# KiCad board panelized.kicad_pcb
title: Hallmoeba; note: Licensed under CERN-OHL-S v2 or later; note: Copyright 2023 gamaPhy
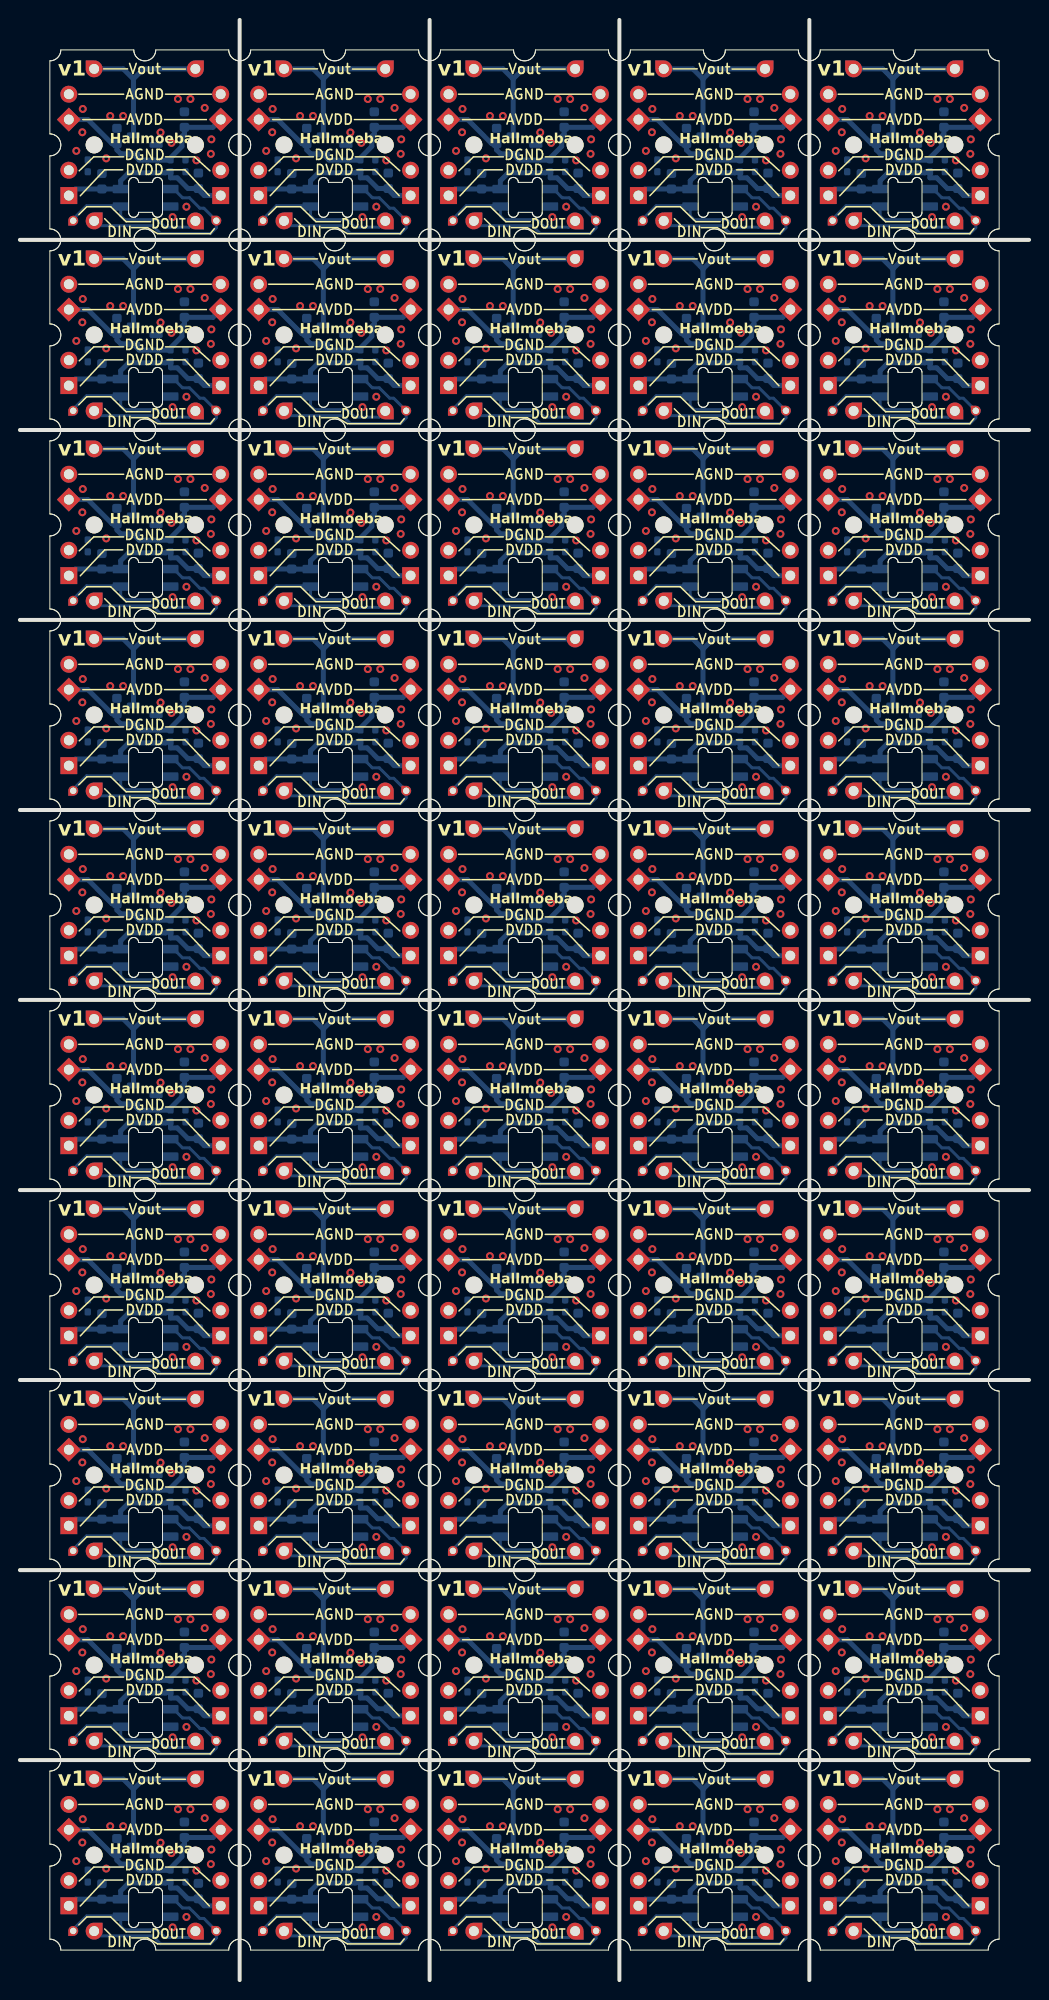
[diagram p0: board, top side]
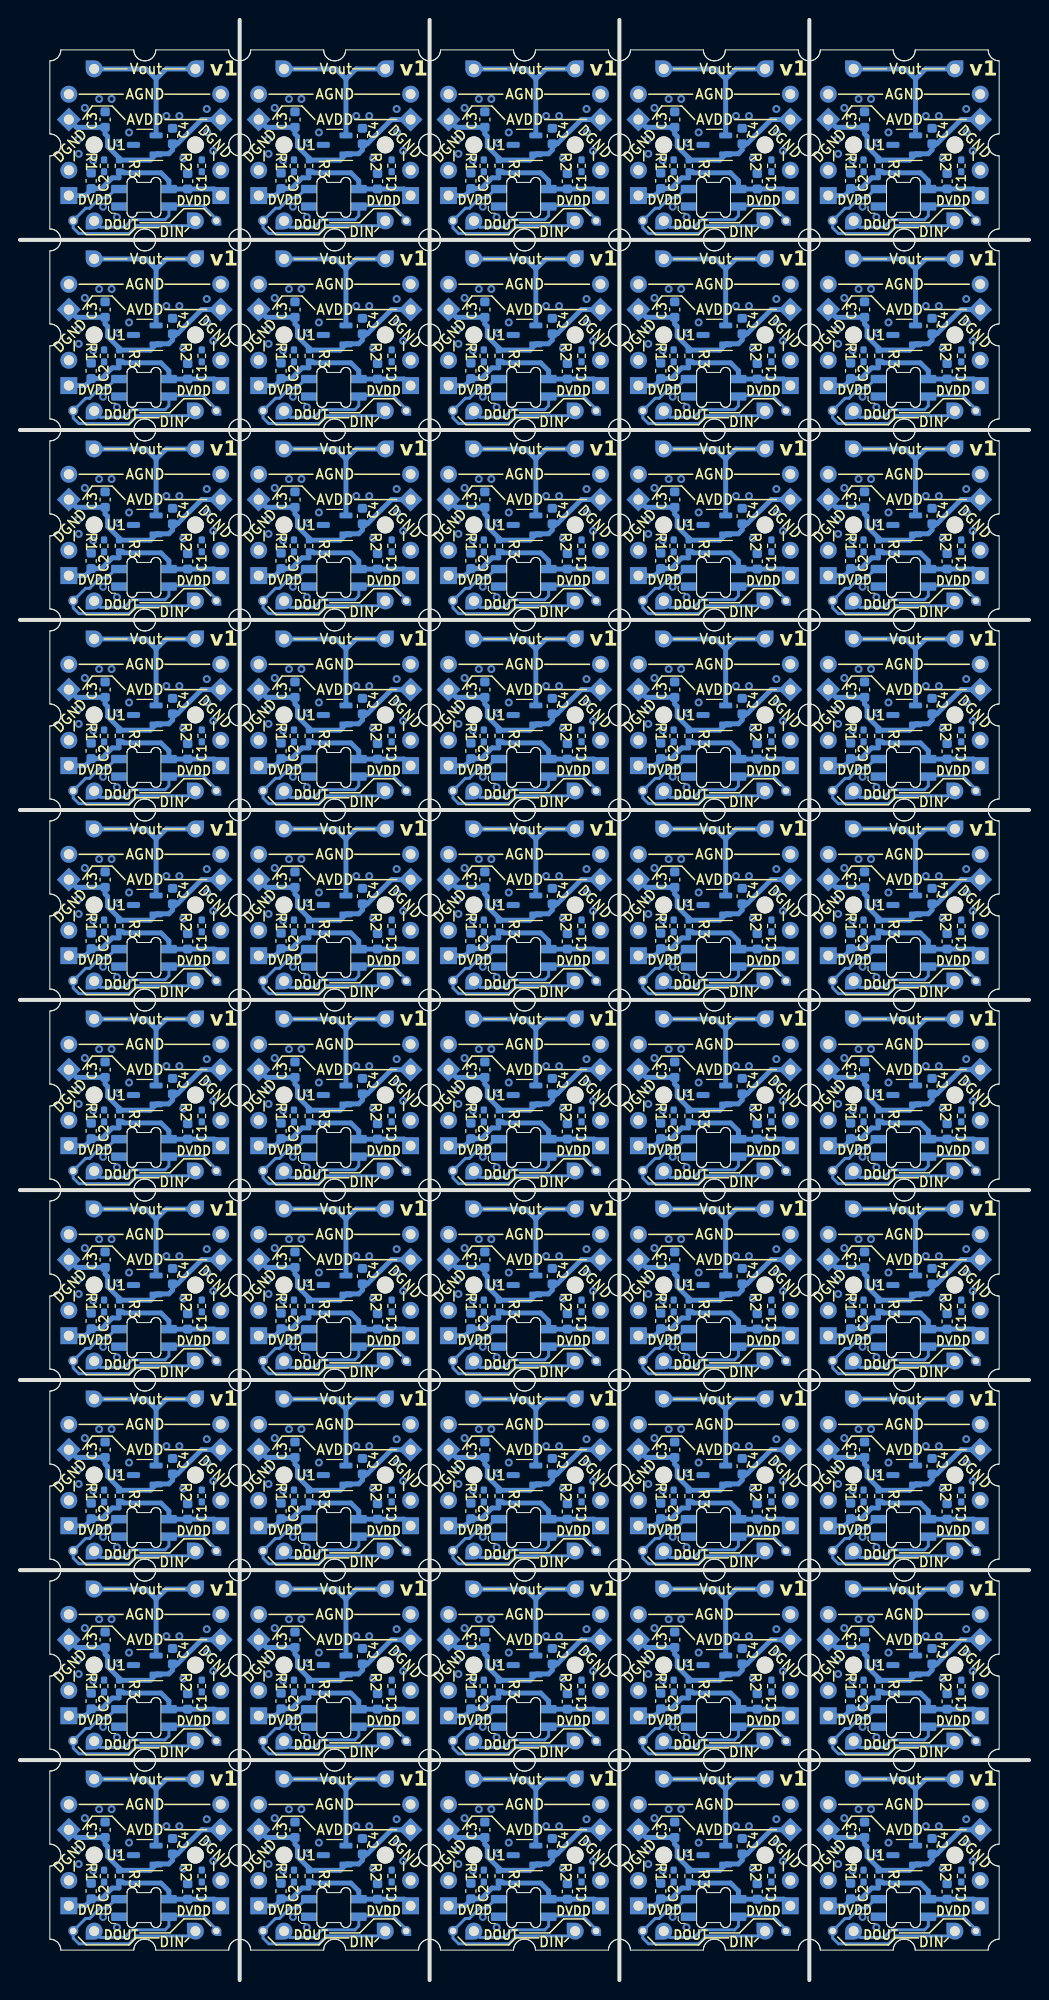
[diagram p1: board, bottom side, seen from below]

Outline 101.25 x 196.5 mm; copper layers: Top, Bottom. Coordinates in mm from the lower left corner of the outline.
Stack: Top 0.035mm / dielectric 1.51mm FR4 er 4.5 / Bottom 0.035mm

## Placement (name value [footprint] x y rotation side)
C1  100n  [C_0603_1608Metric]  65.37 161.28 270 bottom
C1#2  100n  [C_0603_1608Metric]  8.22 8.88 270 bottom
C1#3  100n  [C_0603_1608Metric]  8.22 66.03 270 bottom
C1#4  100n  [C_0603_1608Metric]  46.32 123.18 270 bottom
C1#5  100n  [C_0603_1608Metric]  27.27 46.98 270 bottom
C1#6  100n  [C_0603_1608Metric]  46.32 27.93 270 bottom
C1#7  100n  [C_0603_1608Metric]  8.22 27.93 270 bottom
C1#8  100n  [C_0603_1608Metric]  65.37 8.88 270 bottom
C1#9  100n  [C_0603_1608Metric]  8.22 46.98 270 bottom
C1#10  100n  [C_0603_1608Metric]  84.42 85.08 270 bottom
C1#11  100n  [C_0603_1608Metric]  84.42 161.28 270 bottom
C1#12  100n  [C_0603_1608Metric]  84.42 123.18 270 bottom
C1#13  100n  [C_0603_1608Metric]  8.22 104.13 270 bottom
C1#14  100n  [C_0603_1608Metric]  27.27 123.18 270 bottom
C1#15  100n  [C_0603_1608Metric]  27.27 27.93 270 bottom
C1#16  100n  [C_0603_1608Metric]  8.22 85.08 270 bottom
C1#17  100n  [C_0603_1608Metric]  27.27 8.88 270 bottom
C1#18  100n  [C_0603_1608Metric]  84.42 180.33 270 bottom
C1#19  100n  [C_0603_1608Metric]  8.22 142.23 270 bottom
C1#20  100n  [C_0603_1608Metric]  84.42 104.13 270 bottom
C1#21  100n  [C_0603_1608Metric]  27.27 85.08 270 bottom
C1#22  100n  [C_0603_1608Metric]  46.32 142.23 270 bottom
C1#23  100n  [C_0603_1608Metric]  84.42 27.93 270 bottom
C1#24  100n  [C_0603_1608Metric]  65.37 142.23 270 bottom
C1#25  100n  [C_0603_1608Metric]  27.27 142.23 270 bottom
C1#26  100n  [C_0603_1608Metric]  65.37 104.13 270 bottom
C1#27  100n  [C_0603_1608Metric]  27.27 66.03 270 bottom
C1#28  100n  [C_0603_1608Metric]  27.27 161.28 270 bottom
C1#29  100n  [C_0603_1608Metric]  8.22 161.28 270 bottom
C1#30  100n  [C_0603_1608Metric]  46.32 85.08 270 bottom
C1#31  100n  [C_0603_1608Metric]  65.37 123.18 270 bottom
C1#32  100n  [C_0603_1608Metric]  8.22 180.33 270 bottom
C1#33  100n  [C_0603_1608Metric]  84.42 66.03 270 bottom
C1#34  100n  [C_0603_1608Metric]  65.37 46.98 270 bottom
C1#35  100n  [C_0603_1608Metric]  65.37 180.33 270 bottom
C1#36  100n  [C_0603_1608Metric]  84.42 46.98 270 bottom
C1#37  100n  [C_0603_1608Metric]  65.37 66.03 270 bottom
C1#38  100n  [C_0603_1608Metric]  46.32 161.28 270 bottom
C1#39  100n  [C_0603_1608Metric]  46.32 180.33 270 bottom
C1#40  100n  [C_0603_1608Metric]  84.42 142.23 270 bottom
C1#41  100n  [C_0603_1608Metric]  65.37 27.93 270 bottom
C1#42  100n  [C_0603_1608Metric]  84.42 8.88 270 bottom
C1#43  100n  [C_0603_1608Metric]  65.37 85.08 270 bottom
C1#44  100n  [C_0603_1608Metric]  27.27 180.33 270 bottom
C1#45  100n  [C_0603_1608Metric]  46.32 8.88 270 bottom
C1#46  100n  [C_0603_1608Metric]  46.32 66.03 270 bottom
C1#47  100n  [C_0603_1608Metric]  46.32 104.13 270 bottom
C1#48  100n  [C_0603_1608Metric]  46.32 46.98 270 bottom
C1#49  100n  [C_0603_1608Metric]  27.27 104.13 270 bottom
C1#50  100n  [C_0603_1608Metric]  8.22 123.18 270 bottom
C2  10u  [C_0603_1608Metric]  17.91 161.32 270 bottom
C2#2  10u  [C_0603_1608Metric]  75.06 27.97 270 bottom
C2#3  10u  [C_0603_1608Metric]  75.06 180.38 270 bottom
C2#4  10u  [C_0603_1608Metric]  36.96 85.12 270 bottom
C2#5  10u  [C_0603_1608Metric]  94.1 104.17 270 bottom
C2#6  10u  [C_0603_1608Metric]  75.06 104.17 270 bottom
C2#7  10u  [C_0603_1608Metric]  36.96 8.93 270 bottom
C2#8  10u  [C_0603_1608Metric]  36.96 66.07 270 bottom
C2#9  10u  [C_0603_1608Metric]  17.91 8.93 270 bottom
C2#10  10u  [C_0603_1608Metric]  75.06 47.03 270 bottom
C2#11  10u  [C_0603_1608Metric]  75.06 8.93 270 bottom
C2#12  10u  [C_0603_1608Metric]  56 47.03 270 bottom
C2#13  10u  [C_0603_1608Metric]  17.91 85.12 270 bottom
C2#14  10u  [C_0603_1608Metric]  36.96 123.22 270 bottom
C2#15  10u  [C_0603_1608Metric]  17.91 66.07 270 bottom
C2#16  10u  [C_0603_1608Metric]  94.1 180.38 270 bottom
C2#17  10u  [C_0603_1608Metric]  56 142.28 270 bottom
C2#18  10u  [C_0603_1608Metric]  56 66.07 270 bottom
C2#19  10u  [C_0603_1608Metric]  94.1 27.97 270 bottom
C2#20  10u  [C_0603_1608Metric]  56 27.97 270 bottom
C2#21  10u  [C_0603_1608Metric]  94.1 161.32 270 bottom
C2#22  10u  [C_0603_1608Metric]  17.91 27.97 270 bottom
C2#23  10u  [C_0603_1608Metric]  94.1 8.93 270 bottom
C2#24  10u  [C_0603_1608Metric]  36.96 180.38 270 bottom
C2#25  10u  [C_0603_1608Metric]  56 85.12 270 bottom
C2#26  10u  [C_0603_1608Metric]  94.1 47.03 270 bottom
C2#27  10u  [C_0603_1608Metric]  75.06 123.22 270 bottom
C2#28  10u  [C_0603_1608Metric]  94.1 142.28 270 bottom
C2#29  10u  [C_0603_1608Metric]  36.96 27.97 270 bottom
C2#30  10u  [C_0603_1608Metric]  17.91 142.28 270 bottom
C2#31  10u  [C_0603_1608Metric]  17.91 123.22 270 bottom
C2#32  10u  [C_0603_1608Metric]  56 104.17 270 bottom
C2#33  10u  [C_0603_1608Metric]  56 161.32 270 bottom
C2#34  10u  [C_0603_1608Metric]  17.91 180.38 270 bottom
C2#35  10u  [C_0603_1608Metric]  94.1 123.22 270 bottom
C2#36  10u  [C_0603_1608Metric]  17.91 47.03 270 bottom
C2#37  10u  [C_0603_1608Metric]  36.96 104.17 270 bottom
C2#38  10u  [C_0603_1608Metric]  75.06 161.32 270 bottom
C2#39  10u  [C_0603_1608Metric]  94.1 66.07 270 bottom
C2#40  10u  [C_0603_1608Metric]  56 8.93 270 bottom
C2#41  10u  [C_0603_1608Metric]  56 180.38 270 bottom
C2#42  10u  [C_0603_1608Metric]  94.1 85.12 270 bottom
C2#43  10u  [C_0603_1608Metric]  17.91 104.17 270 bottom
C2#44  10u  [C_0603_1608Metric]  36.96 142.28 270 bottom
C2#45  10u  [C_0603_1608Metric]  36.96 47.03 270 bottom
C2#46  10u  [C_0603_1608Metric]  75.06 66.07 270 bottom
C2#47  10u  [C_0603_1608Metric]  75.06 85.12 270 bottom
C2#48  10u  [C_0603_1608Metric]  75.06 142.28 270 bottom
C2#49  10u  [C_0603_1608Metric]  56 123.22 270 bottom
C2#50  10u  [C_0603_1608Metric]  36.96 161.32 270 bottom
C3  10u  [C_0603_1608Metric]  35.56 91.27 270 bottom
C3#2  10u  [C_0603_1608Metric]  35.56 34.12 270 bottom
C3#3  10u  [C_0603_1608Metric]  35.56 186.51 270 bottom
C3#4  10u  [C_0603_1608Metric]  54.6 148.42 270 bottom
C3#5  10u  [C_0603_1608Metric]  54.6 91.27 270 bottom
C3#6  10u  [C_0603_1608Metric]  92.71 53.16 270 bottom
C3#7  10u  [C_0603_1608Metric]  73.66 167.47 270 bottom
C3#8  10u  [C_0603_1608Metric]  16.5 129.37 270 bottom
C3#9  10u  [C_0603_1608Metric]  35.56 15.06 270 bottom
C3#10  10u  [C_0603_1608Metric]  92.71 186.51 270 bottom
C3#11  10u  [C_0603_1608Metric]  16.5 91.27 270 bottom
C3#12  10u  [C_0603_1608Metric]  54.6 34.12 270 bottom
C3#13  10u  [C_0603_1608Metric]  54.6 53.16 270 bottom
C3#14  10u  [C_0603_1608Metric]  35.56 72.22 270 bottom
C3#15  10u  [C_0603_1608Metric]  73.66 148.42 270 bottom
C3#16  10u  [C_0603_1608Metric]  73.66 72.22 270 bottom
C3#17  10u  [C_0603_1608Metric]  73.66 53.16 270 bottom
C3#18  10u  [C_0603_1608Metric]  16.5 186.51 270 bottom
C3#19  10u  [C_0603_1608Metric]  54.6 15.06 270 bottom
C3#20  10u  [C_0603_1608Metric]  16.5 34.12 270 bottom
C3#21  10u  [C_0603_1608Metric]  54.6 72.22 270 bottom
C3#22  10u  [C_0603_1608Metric]  73.66 91.27 270 bottom
C3#23  10u  [C_0603_1608Metric]  92.71 72.22 270 bottom
C3#24  10u  [C_0603_1608Metric]  16.5 167.47 270 bottom
C3#25  10u  [C_0603_1608Metric]  92.71 167.47 270 bottom
C3#26  10u  [C_0603_1608Metric]  35.56 53.16 270 bottom
C3#27  10u  [C_0603_1608Metric]  73.66 34.12 270 bottom
C3#28  10u  [C_0603_1608Metric]  73.66 15.06 270 bottom
C3#29  10u  [C_0603_1608Metric]  35.56 110.31 270 bottom
C3#30  10u  [C_0603_1608Metric]  92.71 110.31 270 bottom
C3#31  10u  [C_0603_1608Metric]  35.56 148.42 270 bottom
C3#32  10u  [C_0603_1608Metric]  16.5 15.06 270 bottom
C3#33  10u  [C_0603_1608Metric]  73.66 129.37 270 bottom
C3#34  10u  [C_0603_1608Metric]  54.6 186.51 270 bottom
C3#35  10u  [C_0603_1608Metric]  54.6 110.31 270 bottom
C3#36  10u  [C_0603_1608Metric]  54.6 129.37 270 bottom
C3#37  10u  [C_0603_1608Metric]  92.71 129.37 270 bottom
C3#38  10u  [C_0603_1608Metric]  16.5 110.31 270 bottom
C3#39  10u  [C_0603_1608Metric]  92.71 15.06 270 bottom
C3#40  10u  [C_0603_1608Metric]  92.71 91.27 270 bottom
C3#41  10u  [C_0603_1608Metric]  92.71 148.42 270 bottom
C3#42  10u  [C_0603_1608Metric]  35.56 167.47 270 bottom
C3#43  10u  [C_0603_1608Metric]  35.56 129.37 270 bottom
C3#44  10u  [C_0603_1608Metric]  16.5 72.22 270 bottom
C3#45  10u  [C_0603_1608Metric]  73.66 186.51 270 bottom
C3#46  10u  [C_0603_1608Metric]  92.71 34.12 270 bottom
C3#47  10u  [C_0603_1608Metric]  16.5 148.42 270 bottom
C3#48  10u  [C_0603_1608Metric]  54.6 167.47 270 bottom
C3#49  10u  [C_0603_1608Metric]  73.66 110.31 270 bottom
C3#50  10u  [C_0603_1608Metric]  16.5 53.16 270 bottom
C4  100n  [C_0603_1608Metric]  9.73 146.76 270 bottom
C4#2  100n  [C_0603_1608Metric]  66.88 32.46 270 bottom
C4#3  100n  [C_0603_1608Metric]  9.73 108.66 270 bottom
C4#4  100n  [C_0603_1608Metric]  28.78 146.76 270 bottom
C4#5  100n  [C_0603_1608Metric]  85.93 13.41 270 bottom
C4#6  100n  [C_0603_1608Metric]  85.93 89.61 270 bottom
C4#7  100n  [C_0603_1608Metric]  28.78 89.61 270 bottom
C4#8  100n  [C_0603_1608Metric]  85.93 108.66 270 bottom
C4#9  100n  [C_0603_1608Metric]  28.78 70.56 270 bottom
C4#10  100n  [C_0603_1608Metric]  9.73 70.56 270 bottom
C4#11  100n  [C_0603_1608Metric]  66.88 165.81 270 bottom
C4#12  100n  [C_0603_1608Metric]  47.83 13.41 270 bottom
C4#13  100n  [C_0603_1608Metric]  28.78 13.41 270 bottom
C4#14  100n  [C_0603_1608Metric]  47.83 32.46 270 bottom
C4#15  100n  [C_0603_1608Metric]  85.93 70.56 270 bottom
C4#16  100n  [C_0603_1608Metric]  66.88 51.51 270 bottom
C4#17  100n  [C_0603_1608Metric]  66.88 127.71 270 bottom
C4#18  100n  [C_0603_1608Metric]  9.73 165.81 270 bottom
C4#19  100n  [C_0603_1608Metric]  47.83 165.81 270 bottom
C4#20  100n  [C_0603_1608Metric]  28.78 127.71 270 bottom
C4#21  100n  [C_0603_1608Metric]  85.93 184.86 270 bottom
C4#22  100n  [C_0603_1608Metric]  66.88 184.86 270 bottom
C4#23  100n  [C_0603_1608Metric]  9.73 51.51 270 bottom
C4#24  100n  [C_0603_1608Metric]  66.88 146.76 270 bottom
C4#25  100n  [C_0603_1608Metric]  28.78 51.51 270 bottom
C4#26  100n  [C_0603_1608Metric]  85.93 165.81 270 bottom
C4#27  100n  [C_0603_1608Metric]  28.78 108.66 270 bottom
C4#28  100n  [C_0603_1608Metric]  47.83 127.71 270 bottom
C4#29  100n  [C_0603_1608Metric]  47.83 89.61 270 bottom
C4#30  100n  [C_0603_1608Metric]  47.83 146.76 270 bottom
C4#31  100n  [C_0603_1608Metric]  28.78 184.86 270 bottom
C4#32  100n  [C_0603_1608Metric]  47.83 70.56 270 bottom
C4#33  100n  [C_0603_1608Metric]  66.88 108.66 270 bottom
C4#34  100n  [C_0603_1608Metric]  85.93 32.46 270 bottom
C4#35  100n  [C_0603_1608Metric]  28.78 165.81 270 bottom
C4#36  100n  [C_0603_1608Metric]  47.83 51.51 270 bottom
C4#37  100n  [C_0603_1608Metric]  85.93 127.71 270 bottom
C4#38  100n  [C_0603_1608Metric]  9.73 32.46 270 bottom
C4#39  100n  [C_0603_1608Metric]  28.78 32.46 270 bottom
C4#40  100n  [C_0603_1608Metric]  66.88 13.41 270 bottom
C4#41  100n  [C_0603_1608Metric]  47.83 184.86 270 bottom
C4#42  100n  [C_0603_1608Metric]  66.88 70.56 270 bottom
C4#43  100n  [C_0603_1608Metric]  9.73 127.71 270 bottom
C4#44  100n  [C_0603_1608Metric]  85.93 51.51 270 bottom
C4#45  100n  [C_0603_1608Metric]  47.83 108.66 270 bottom
C4#46  100n  [C_0603_1608Metric]  9.73 13.41 270 bottom
C4#47  100n  [C_0603_1608Metric]  66.88 89.61 270 bottom
C4#48  100n  [C_0603_1608Metric]  9.73 89.61 270 bottom
C4#49  100n  [C_0603_1608Metric]  85.93 146.76 270 bottom
C4#50  100n  [C_0603_1608Metric]  9.73 184.86 270 bottom
D1  SK6812MINI-E  [SK6812MINI_E]  88.81 83.43 0 bottom
D1#2  SK6812MINI-E  [SK6812MINI_E]  88.81 178.68 0 bottom
D1#3  SK6812MINI-E  [SK6812MINI_E]  69.75 64.38 0 bottom
D1#4  SK6812MINI-E  [SK6812MINI_E]  12.61 121.53 0 bottom
D1#5  SK6812MINI-E  [SK6812MINI_E]  88.81 159.62 0 bottom
D1#6  SK6812MINI-E  [SK6812MINI_E]  50.71 64.38 0 bottom
D1#7  SK6812MINI-E  [SK6812MINI_E]  69.75 159.62 0 bottom
D1#8  SK6812MINI-E  [SK6812MINI_E]  88.81 121.53 0 bottom
D1#9  SK6812MINI-E  [SK6812MINI_E]  12.61 83.43 0 bottom
D1#10  SK6812MINI-E  [SK6812MINI_E]  31.66 45.32 0 bottom
D1#11  SK6812MINI-E  [SK6812MINI_E]  88.81 140.57 0 bottom
D1#12  SK6812MINI-E  [SK6812MINI_E]  88.81 7.22 0 bottom
D1#13  SK6812MINI-E  [SK6812MINI_E]  31.66 64.38 0 bottom
D1#14  SK6812MINI-E  [SK6812MINI_E]  88.81 102.47 0 bottom
D1#15  SK6812MINI-E  [SK6812MINI_E]  50.71 7.22 0 bottom
D1#16  SK6812MINI-E  [SK6812MINI_E]  31.66 102.47 0 bottom
D1#17  SK6812MINI-E  [SK6812MINI_E]  88.81 45.32 0 bottom
D1#18  SK6812MINI-E  [SK6812MINI_E]  12.61 159.62 0 bottom
D1#19  SK6812MINI-E  [SK6812MINI_E]  31.66 121.53 0 bottom
D1#20  SK6812MINI-E  [SK6812MINI_E]  88.81 64.38 0 bottom
D1#21  SK6812MINI-E  [SK6812MINI_E]  50.71 178.68 0 bottom
D1#22  SK6812MINI-E  [SK6812MINI_E]  50.71 159.62 0 bottom
D1#23  SK6812MINI-E  [SK6812MINI_E]  31.66 140.57 0 bottom
D1#24  SK6812MINI-E  [SK6812MINI_E]  69.75 45.32 0 bottom
D1#25  SK6812MINI-E  [SK6812MINI_E]  50.71 26.28 0 bottom
D1#26  SK6812MINI-E  [SK6812MINI_E]  69.75 121.53 0 bottom
D1#27  SK6812MINI-E  [SK6812MINI_E]  50.71 45.32 0 bottom
D1#28  SK6812MINI-E  [SK6812MINI_E]  12.61 26.28 0 bottom
D1#29  SK6812MINI-E  [SK6812MINI_E]  31.66 83.43 0 bottom
D1#30  SK6812MINI-E  [SK6812MINI_E]  12.61 45.32 0 bottom
D1#31  SK6812MINI-E  [SK6812MINI_E]  12.61 7.22 0 bottom
D1#32  SK6812MINI-E  [SK6812MINI_E]  31.66 26.28 0 bottom
D1#33  SK6812MINI-E  [SK6812MINI_E]  12.61 140.57 0 bottom
D1#34  SK6812MINI-E  [SK6812MINI_E]  31.66 7.22 0 bottom
D1#35  SK6812MINI-E  [SK6812MINI_E]  12.61 64.38 0 bottom
D1#36  SK6812MINI-E  [SK6812MINI_E]  69.75 102.47 0 bottom
D1#37  SK6812MINI-E  [SK6812MINI_E]  88.81 26.28 0 bottom
D1#38  SK6812MINI-E  [SK6812MINI_E]  69.75 178.68 0 bottom
D1#39  SK6812MINI-E  [SK6812MINI_E]  69.75 26.28 0 bottom
D1#40  SK6812MINI-E  [SK6812MINI_E]  50.71 102.47 0 bottom
D1#41  SK6812MINI-E  [SK6812MINI_E]  50.71 140.57 0 bottom
D1#42  SK6812MINI-E  [SK6812MINI_E]  50.71 83.43 0 bottom
D1#43  SK6812MINI-E  [SK6812MINI_E]  12.61 178.68 0 bottom
D1#44  SK6812MINI-E  [SK6812MINI_E]  31.66 178.68 0 bottom
D1#45  SK6812MINI-E  [SK6812MINI_E]  69.75 83.43 0 bottom
D1#46  SK6812MINI-E  [SK6812MINI_E]  12.61 102.47 0 bottom
D1#47  SK6812MINI-E  [SK6812MINI_E]  50.71 121.53 0 bottom
D1#48  SK6812MINI-E  [SK6812MINI_E]  69.75 140.57 0 bottom
D1#49  SK6812MINI-E  [SK6812MINI_E]  31.66 159.62 0 bottom
D1#50  SK6812MINI-E  [SK6812MINI_E]  69.75 7.22 0 bottom
J1  Conn_01x01_Pin  [PinHeader_1x01_P2.54mm_Vertical#2]  39.19 83.65 180 bottom
J1#2  Conn_01x01_Pin  [PinHeader_1x01_P2.54mm_Vertical#2]  96.34 83.65 180 bottom
J1#3  Conn_01x01_Pin  [PinHeader_1x01_P2.54mm_Vertical#2]  39.19 178.9 180 bottom
J1#4  Conn_01x01_Pin  [PinHeader_1x01_P2.54mm_Vertical#2]  39.19 64.59 180 bottom
J1#5  Conn_01x01_Pin  [PinHeader_1x01_P2.54mm_Vertical#2]  58.25 45.54 180 bottom
J1#6  Conn_01x01_Pin  [PinHeader_1x01_P2.54mm_Vertical#2]  77.29 45.54 180 bottom
J1#7  Conn_01x01_Pin  [PinHeader_1x01_P2.54mm_Vertical#2]  39.19 121.75 180 bottom
J1#8  Conn_01x01_Pin  [PinHeader_1x01_P2.54mm_Vertical#2]  20.14 26.5 180 bottom
J1#9  Conn_01x01_Pin  [PinHeader_1x01_P2.54mm_Vertical#2]  58.25 83.65 180 bottom
J1#10  Conn_01x01_Pin  [PinHeader_1x01_P2.54mm_Vertical#2]  20.14 7.44 180 bottom
J1#11  Conn_01x01_Pin  [PinHeader_1x01_P2.54mm_Vertical#2]  77.29 178.9 180 bottom
J1#12  Conn_01x01_Pin  [PinHeader_1x01_P2.54mm_Vertical#2]  96.34 102.69 180 bottom
J1#13  Conn_01x01_Pin  [PinHeader_1x01_P2.54mm_Vertical#2]  77.29 83.65 180 bottom
J1#14  Conn_01x01_Pin  [PinHeader_1x01_P2.54mm_Vertical#2]  58.25 64.59 180 bottom
J1#15  Conn_01x01_Pin  [PinHeader_1x01_P2.54mm_Vertical#2]  58.25 26.5 180 bottom
J1#16  Conn_01x01_Pin  [PinHeader_1x01_P2.54mm_Vertical#2]  20.14 102.69 180 bottom
J1#17  Conn_01x01_Pin  [PinHeader_1x01_P2.54mm_Vertical#2]  96.34 140.8 180 bottom
J1#18  Conn_01x01_Pin  [PinHeader_1x01_P2.54mm_Vertical#2]  77.29 159.84 180 bottom
J1#19  Conn_01x01_Pin  [PinHeader_1x01_P2.54mm_Vertical#2]  58.25 121.75 180 bottom
J1#20  Conn_01x01_Pin  [PinHeader_1x01_P2.54mm_Vertical#2]  39.19 140.8 180 bottom
J1#21  Conn_01x01_Pin  [PinHeader_1x01_P2.54mm_Vertical#2]  39.19 102.69 180 bottom
J1#22  Conn_01x01_Pin  [PinHeader_1x01_P2.54mm_Vertical#2]  96.34 121.75 180 bottom
J1#23  Conn_01x01_Pin  [PinHeader_1x01_P2.54mm_Vertical#2]  20.14 159.84 180 bottom
J1#24  Conn_01x01_Pin  [PinHeader_1x01_P2.54mm_Vertical#2]  77.29 7.44 180 bottom
J1#25  Conn_01x01_Pin  [PinHeader_1x01_P2.54mm_Vertical#2]  96.34 178.9 180 bottom
J1#26  Conn_01x01_Pin  [PinHeader_1x01_P2.54mm_Vertical#2]  96.34 159.84 180 bottom
J1#27  Conn_01x01_Pin  [PinHeader_1x01_P2.54mm_Vertical#2]  39.19 159.84 180 bottom
J1#28  Conn_01x01_Pin  [PinHeader_1x01_P2.54mm_Vertical#2]  77.29 64.59 180 bottom
J1#29  Conn_01x01_Pin  [PinHeader_1x01_P2.54mm_Vertical#2]  39.19 7.44 180 bottom
J1#30  Conn_01x01_Pin  [PinHeader_1x01_P2.54mm_Vertical#2]  96.34 64.59 180 bottom
J1#31  Conn_01x01_Pin  [PinHeader_1x01_P2.54mm_Vertical#2]  20.14 178.9 180 bottom
J1#32  Conn_01x01_Pin  [PinHeader_1x01_P2.54mm_Vertical#2]  58.25 102.69 180 bottom
J1#33  Conn_01x01_Pin  [PinHeader_1x01_P2.54mm_Vertical#2]  20.14 45.54 180 bottom
J1#34  Conn_01x01_Pin  [PinHeader_1x01_P2.54mm_Vertical#2]  96.34 26.5 180 bottom
J1#35  Conn_01x01_Pin  [PinHeader_1x01_P2.54mm_Vertical#2]  20.14 140.8 180 bottom
J1#36  Conn_01x01_Pin  [PinHeader_1x01_P2.54mm_Vertical#2]  58.25 178.9 180 bottom
J1#37  Conn_01x01_Pin  [PinHeader_1x01_P2.54mm_Vertical#2]  77.29 121.75 180 bottom
J1#38  Conn_01x01_Pin  [PinHeader_1x01_P2.54mm_Vertical#2]  77.29 26.5 180 bottom
J1#39  Conn_01x01_Pin  [PinHeader_1x01_P2.54mm_Vertical#2]  96.34 7.44 180 bottom
J1#40  Conn_01x01_Pin  [PinHeader_1x01_P2.54mm_Vertical#2]  20.14 83.65 180 bottom
J1#41  Conn_01x01_Pin  [PinHeader_1x01_P2.54mm_Vertical#2]  58.25 159.84 180 bottom
J1#42  Conn_01x01_Pin  [PinHeader_1x01_P2.54mm_Vertical#2]  39.19 45.54 180 bottom
J1#43  Conn_01x01_Pin  [PinHeader_1x01_P2.54mm_Vertical#2]  20.14 64.59 180 bottom
J1#44  Conn_01x01_Pin  [PinHeader_1x01_P2.54mm_Vertical#2]  58.25 7.44 180 bottom
J1#45  Conn_01x01_Pin  [PinHeader_1x01_P2.54mm_Vertical#2]  96.34 45.54 180 bottom
J1#46  Conn_01x01_Pin  [PinHeader_1x01_P2.54mm_Vertical#2]  77.29 140.8 180 bottom
J1#47  Conn_01x01_Pin  [PinHeader_1x01_P2.54mm_Vertical#2]  20.14 121.75 180 bottom
J1#48  Conn_01x01_Pin  [PinHeader_1x01_P2.54mm_Vertical#2]  39.19 26.5 180 bottom
J1#49  Conn_01x01_Pin  [PinHeader_1x01_P2.54mm_Vertical#2]  58.25 140.8 180 bottom
J1#50  Conn_01x01_Pin  [PinHeader_1x01_P2.54mm_Vertical#2]  77.29 102.69 180 bottom
J2  Conn_01x01_Pin  [PinHeader_1x01_P2.54mm_Vertical#2]  43 178.9 180 bottom
J2#2  Conn_01x01_Pin  [PinHeader_1x01_P2.54mm_Vertical#2]  23.95 102.69 180 bottom
J2#3  Conn_01x01_Pin  [PinHeader_1x01_P2.54mm_Vertical#2]  4.91 140.8 180 bottom
J2#4  Conn_01x01_Pin  [PinHeader_1x01_P2.54mm_Vertical#2]  23.95 83.65 180 bottom
J2#5  Conn_01x01_Pin  [PinHeader_1x01_P2.54mm_Vertical#2]  81.1 178.9 180 bottom
J2#6  Conn_01x01_Pin  [PinHeader_1x01_P2.54mm_Vertical#2]  81.1 26.5 180 bottom
J2#7  Conn_01x01_Pin  [PinHeader_1x01_P2.54mm_Vertical#2]  23.95 45.54 180 bottom
J2#8  Conn_01x01_Pin  [PinHeader_1x01_P2.54mm_Vertical#2]  81.1 45.54 180 bottom
J2#9  Conn_01x01_Pin  [PinHeader_1x01_P2.54mm_Vertical#2]  43 7.44 180 bottom
J2#10  Conn_01x01_Pin  [PinHeader_1x01_P2.54mm_Vertical#2]  81.1 64.59 180 bottom
J2#11  Conn_01x01_Pin  [PinHeader_1x01_P2.54mm_Vertical#2]  23.95 178.9 180 bottom
J2#12  Conn_01x01_Pin  [PinHeader_1x01_P2.54mm_Vertical#2]  23.95 121.75 180 bottom
J2#13  Conn_01x01_Pin  [PinHeader_1x01_P2.54mm_Vertical#2]  43 159.84 180 bottom
J2#14  Conn_01x01_Pin  [PinHeader_1x01_P2.54mm_Vertical#2]  43 26.5 180 bottom
J2#15  Conn_01x01_Pin  [PinHeader_1x01_P2.54mm_Vertical#2]  23.95 26.5 180 bottom
J2#16  Conn_01x01_Pin  [PinHeader_1x01_P2.54mm_Vertical#2]  4.91 83.65 180 bottom
J2#17  Conn_01x01_Pin  [PinHeader_1x01_P2.54mm_Vertical#2]  43 140.8 180 bottom
J2#18  Conn_01x01_Pin  [PinHeader_1x01_P2.54mm_Vertical#2]  4.91 102.69 180 bottom
J2#19  Conn_01x01_Pin  [PinHeader_1x01_P2.54mm_Vertical#2]  4.91 178.9 180 bottom
J2#20  Conn_01x01_Pin  [PinHeader_1x01_P2.54mm_Vertical#2]  81.1 102.69 180 bottom
J2#21  Conn_01x01_Pin  [PinHeader_1x01_P2.54mm_Vertical#2]  62.06 26.5 180 bottom
J2#22  Conn_01x01_Pin  [PinHeader_1x01_P2.54mm_Vertical#2]  4.91 45.54 180 bottom
J2#23  Conn_01x01_Pin  [PinHeader_1x01_P2.54mm_Vertical#2]  62.06 7.44 180 bottom
J2#24  Conn_01x01_Pin  [PinHeader_1x01_P2.54mm_Vertical#2]  43 45.54 180 bottom
J2#25  Conn_01x01_Pin  [PinHeader_1x01_P2.54mm_Vertical#2]  4.91 121.75 180 bottom
J2#26  Conn_01x01_Pin  [PinHeader_1x01_P2.54mm_Vertical#2]  81.1 121.75 180 bottom
J2#27  Conn_01x01_Pin  [PinHeader_1x01_P2.54mm_Vertical#2]  4.91 7.44 180 bottom
J2#28  Conn_01x01_Pin  [PinHeader_1x01_P2.54mm_Vertical#2]  43 121.75 180 bottom
J2#29  Conn_01x01_Pin  [PinHeader_1x01_P2.54mm_Vertical#2]  4.91 26.5 180 bottom